# Altium PCB RT1064_V2PCB.PcbDoc (part 1 of 2)
Units mil, origin at the board's own origin, x right, y up, seen from the top; angles counter-clockwise.
Board outline 4813.94 x 2430.13 mil, 4 copper layers (TOP, GND 2, PWR, BOTTOM), stack 23.756 mil thick; 135 components, 134 nets, 481 pads, 147 vias.
Unrouted connection lines stored in the file: 5.
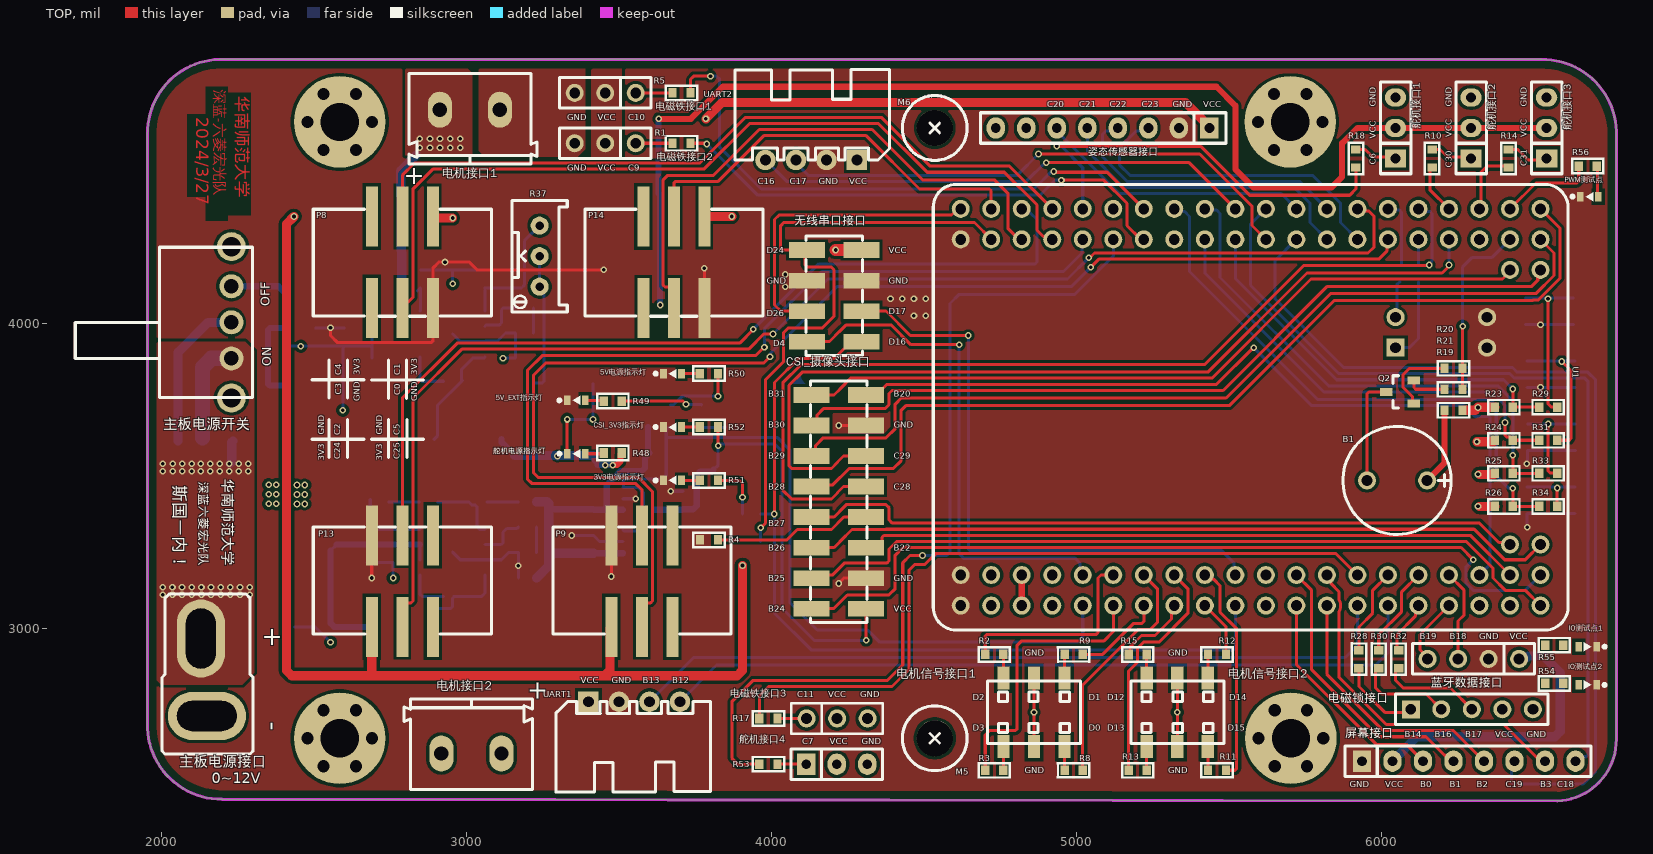
[diagram p0: TOP view]
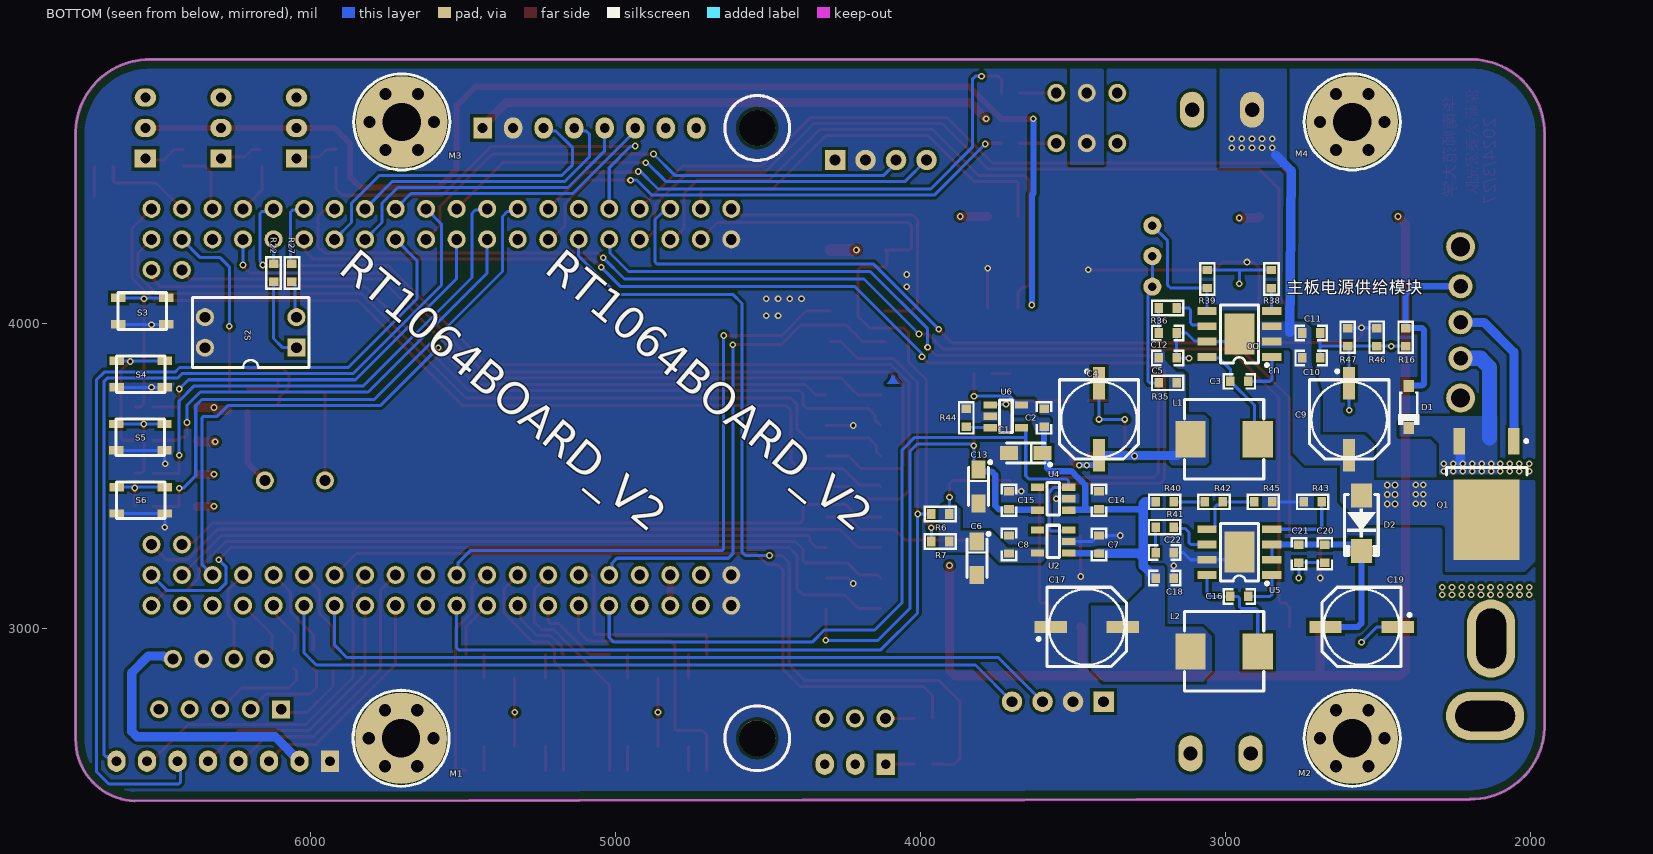
[diagram p1: BOTTOM view, seen from below]
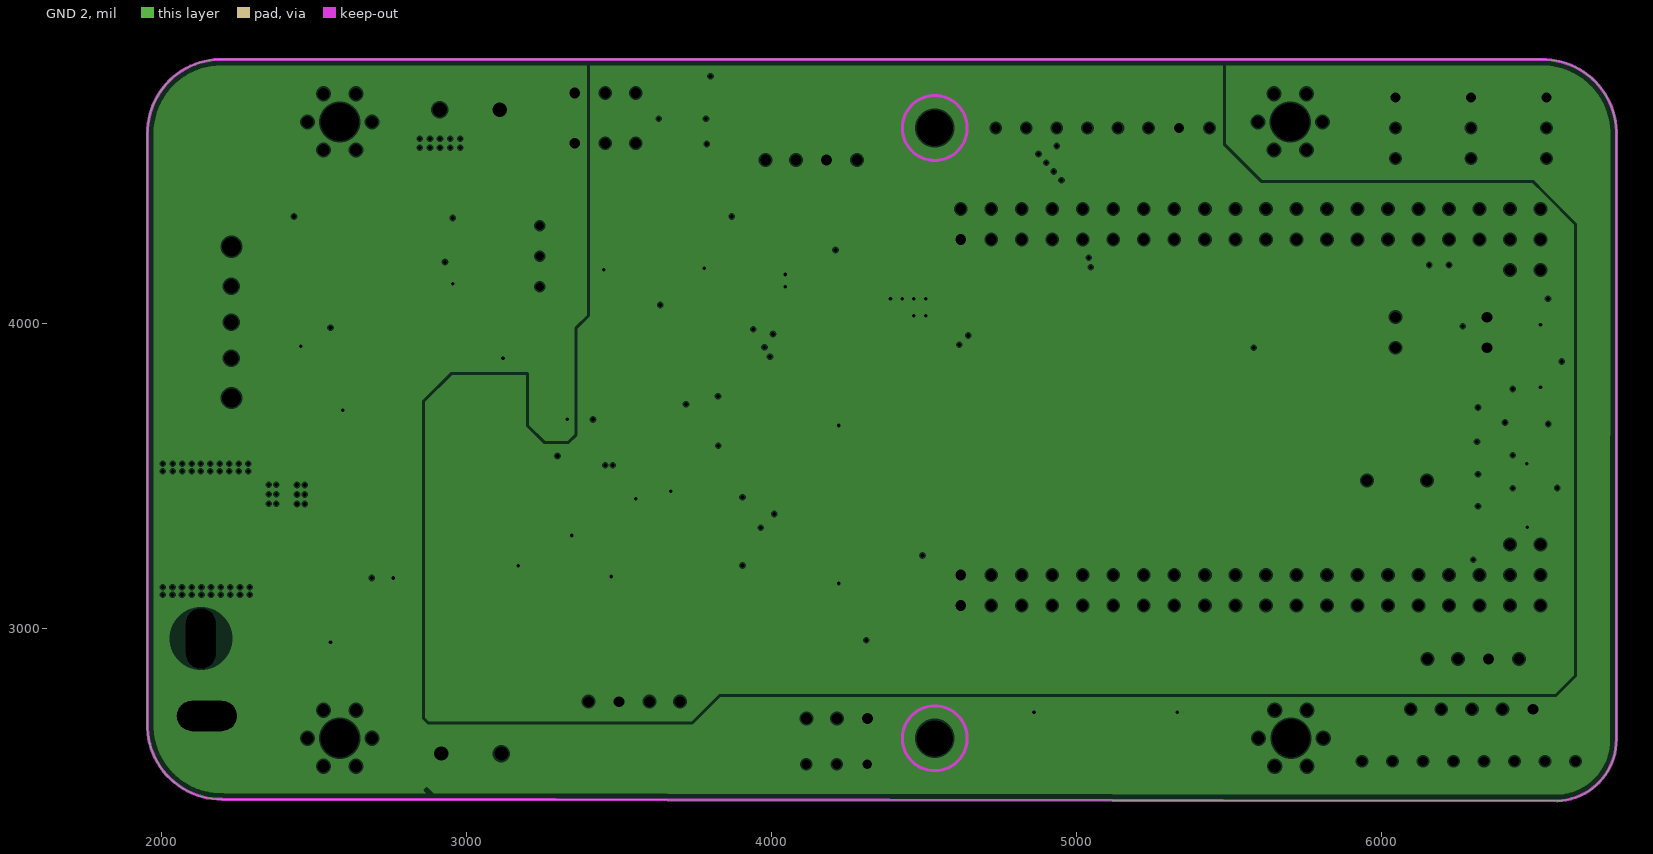
[diagram p2: GND 2, clearances drawn from the general rule]
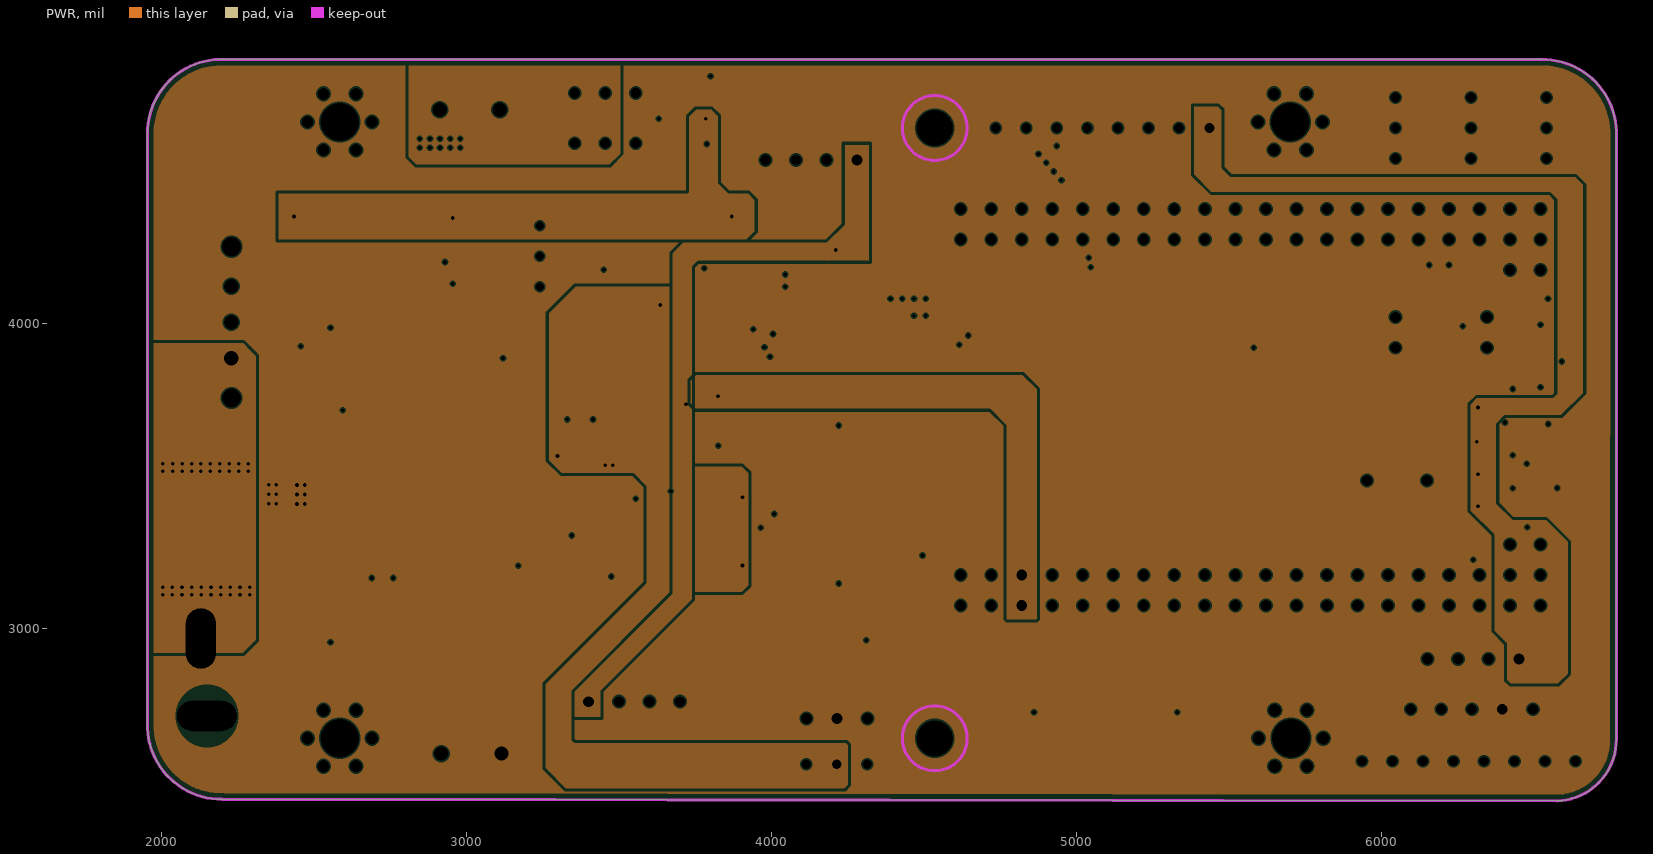
[diagram p3: PWR, clearances drawn from the general rule]

## Layer stack, top to bottom
Top Solder: solder mask 0.4, Solder Resist, Dk 3.5
TOP: signal copper 1.4
Dielectric 2: prepreg 2.8, PP-006, Dk 4.1
GND 2: plane copper 1.378, net GND
Dielectric 1: dielectric 12.6, FR-4, Dk 4.8
PWR: plane copper 1.378, net VCCBAT
Dielectric 3: prepreg 2.8, PP-006, Dk 4.1
BOTTOM: signal copper 1.4
Bottom Solder: solder mask 0.4, Solder Resist, Dk 3.5

## Board outline
1954.93,2690.01 1954.9,4620.01 cw(c2197.5,4622.51) 2190,4865.01 6523.84,4865.1 6523.84,4864.63 cw(c6526.34,4622.03) 6768.84,4629.53 6768.47,2636.62 cw(c6568.83,2634.56) 6575,2435 6575,2434.97 2199.82,2440.16 cw(c2197.32,2682.65)

## Design rules (kind name [scope] priority, off if disabled: settings)
BoardOutlineClearance [All] p1: gap=30 ignorepadtopadclearanceinfootprint=FALSE
Clearance [All] p1: gap=10 ignorepadtopadclearanceinfootprint=FALSE except(0: Arc-Hole Track-Hole SMDPad-Hole THPad-Hole Via-Hole Fill-Hole Poly-Hole Region-Hole Text-Hole)
PlaneClearance [All] p1: clearance=5
PlaneConnect [All] p1: planeconnectstyle=Relief reliefexpansion=20 reliefentries=4 reliefconductorwidth=10 reliefairgap=10
PolygonConnect PolygonConnect_PWR [InNetClass('PWR')] p1: connectstyle=Direct reliefconductorwidth=60 reliefentries=4 polygonreliefangle="90 Angle" airgapwidth=10
PolygonConnect [All] p2: connectstyle=Direct reliefconductorwidth=60 reliefentries=4 polygonreliefangle="90 Angle" airgapwidth=10
RoutingVias [All] p1: holewidth=28 width=50 viastyle="Through Hole" minholewidth=28 minwidth=50 maxholewidth=28 maxwidth=50
SolderMaskExpansion [All] p1: expansion=4 istentingtop=FALSE
Width PWR [InNetClass('PWR')] p1: maxlimit=30 minlimit=10 preferedwidth=30
Width [All] p2: maxlimit=10 minlimit=10 preferedwidth=10
28 further rules are at their usual default settings.

## Classes and differential pairs
component class RT1064_Power: 3V3电源指示灯 5V_EXT指示灯 5V电源指示灯 C3 C4 C5 C6 C7 C8 C9 C10 C11 C12 C13 C14 C15 C16 C17 C18 C19 C20 C21 C22 CSI_3V3指示灯 D2 L1 L2 R35 R36 R37 R38 R39 R40 R41 R42 R43 R44 R45 R46 R47 R48 R49 R50 R51 R52 U2 U3 U4 U5 U6 舵机电源指示灯
component class RT1064_Interaction: B1 M1 M2 M3 M4 M5 M6 Q2 R19 R20 R21 R22 R23 R24 R25 R26 R27 R28 R29 R30 R31 R32 R33 R34 S2 S3 S4 S5 S6 电磁锁接口
component class RT1064_Device: CSI_摄像头接口 D1 P8 P9 P13 P14 Q1 R1 R2 R3 R4 R5 R6 R7 R8 R9 R10 R11 R12 R13 R14 R15 R16 R17 R18 R53 UART1 UART2 主板电源开关 主板电源接口 姿态传感器接口 屏幕接口 无线串口接口 电机信号接口1 电机信号接口2 电机接口1 电机接口2 电磁铁接口1 电磁铁接口2 电磁铁接口3 舵机接口1 舵机接口2 舵机接口3 舵机接口4 蓝牙数据接口
component class RT1064_CoreBoard: C1 C2 IO测试点1 IO测试点2 PWM测试点 R54 R55 R56 U1

## Components (designator, comment, footprint, x,y, rotation, side; value= is the part's Value field where it differs from the comment)
3V3电源指示灯 "翠绿贴片LED" LEDC1608(0603)-L 3675.47,3485 r0 top (schematic designator LED4)
5V_EXT指示灯 "翠绿贴片LED" LEDC1608(0603)-L 3360,3747.5 r0 top (schematic designator LED2)
5V电源指示灯 "翠绿贴片LED" LEDC1608(0603)-L 3675.47,3835 r0 top (schematic designator LED3)
B1 "BEEP" "BEEP 9x5.5mm" 6050,3485 r180 top
C1 "T-S 10uF 3216 16V" "CAP-T-S 3216" 3655,3575 r0 bottom value=10uF
C2 "1uF 16V X7R" CAPC1608[0603]S-L 3595,3690.03 r270 bottom value=1uF
C3 "100nF 50V X7R" CAPC1608[0603]S-L 2955,3810 r180 bottom value=100nF
C4 "220uF 25V 铝电解" "CAP-E-S 6.3" 3415,3685 r90 bottom value=220uF
C5 "47uF 50V X7R" CAPC1608[0603]S-L 3190,3886.67 r0 bottom value=47uF
C6 "T-S 10uF 3216 16V" "CAP-T-S 3216" 3815,3230.12 r270 bottom value=10uF
C7 "100nF 50V X7R" CAPC1608[0603]S-L 3415,3275 r270 bottom value=100nF
C8 "100nF 50V X7R" CAPC1608[0603]S-L 3710,3275.03 r270 bottom value=100nF
C9 "220uF 25V 铝电解" "CAP-E-S 6.3" 2595,3685 r90 bottom value=220uF
C10 "4.7uF 50V X7R" CAPC1608[0603]S-L 2720,3886.67 r0 bottom value=4.7uF
C11 "100nF 50V X7R" CAPC1608[0603]S-L 2720,3968.34 r0 bottom value=100nF
C12 "4.7nF 50V X7R" CAPC1608[0603]S-L 3190,3968.34 r0 bottom value=4.7nF
C13 "T-S 10uF 3216 16V" "CAP-T-S 3216" 3810,3465.12 r270 bottom value=10uF
C14 "100nF 50V X7R" CAPC1608[0603]S-L 3415,3420 r270 bottom value=100nF
C15 "100nF 50V X7R" CAPC1608[0603]S-L 3710,3420 r270 bottom value=100nF
C16 "100nF 50V X7R" CAPC1608[0603]S-L 2955,3105 r180 bottom value=100nF
C17 "220uF 25V 铝电解" "CAP-E-S 6.3" 3455.34,3005 r0 bottom value=220uF
C18 "47uF 50V X7R" CAPC1608[0603]S-L 3200,3165 r0 bottom value=47uF
C19 "220uF 25V 铝电解" "CAP-E-S 6.3" 2554.66,3005 r180 bottom value=220uF
C20 "4.7uF 50V X7R" CAPC1608[0603]S-L 2675,3245 r90 bottom value=4.7uF
C21 "100nF 50V X7R" CAPC1608[0603]S-L 2760,3245 r90 bottom value=100nF
C22 "4.7nF 50V X7R" CAPC1608[0603]S-L 3200,3248.33 r0 bottom value=4.7nF
CSI_3V3指示灯 "翠绿贴片LED" LEDC1608(0603)-L 3675.47,3660 r0 top (schematic designator LED5)
CSI_摄像头接口 "Header-D-F 2x8P" Cam_HDR2X8-F-SMT 4220.63,3415 r90 top (schematic designator P1)
D1 "BZT52C16" SOD-123-L 2400,3725 r270 bottom
D2 "SS54" SMA-L[DO-214AC] 2555,3345 r270 bottom
IO测试点1 "翠绿贴片LED" LEDC1608(0603)-L 6675,2940 r180 top (schematic designator LED7)
IO测试点2 "翠绿贴片LED" LEDC1608(0603)-L 6675,2815 r180 top (schematic designator LED6)
L1 "4.7uH 5A" "0630 TPC 7*7*3" 3005,3620 r0 bottom value=4.7uH
L2 "4.7uH 5A" "0630 TPC 7*7*3" 3005,2925 r0 bottom value=4.7uH
M1 "MountHole" M3x12+6_N 5702,2640 r180 bottom
M2 "MountHole" M3x12+6_N 2585,2640 r180 bottom
M3 "MountHole" M3x12+6_N 5700,4660 r180 bottom
M4 "MountHole" M3x12+6_N 2585,4660 r180 bottom
M5 "MountHole" M3-MountHole 4535,2640 r0 top
M6 "MountHole" M3-MountHole 4535,4640 r0 top
P8 "Header-D-M 2x3P" DC3-6P-2.54mm 2890,4050 r180 top
P9 "Header-D-M 2x3P" DC3-6P-2.54mm 3475,3305 r0 top
P13 "Header-D-M 2x3P" DC3-6P-2.54mm 2690,3305 r0 top
P14 "Header-D-M 2x3P" DC3-6P-2.54mm 3780,4050 r180 top
PWM测试点 "翠绿贴片LED" LEDC1608(0603)-L 6680,4415 r0 top (schematic designator LED8)
Q1 "HY19P03" TO-252AA 2145,3485 r270 bottom
Q2 "S8050" SOT-23 6060,3775 r180 top
R1 "100R ±1%" RESC1608[0603]S-L 3705,4590 r0 top value=100R
R2 "100R ±1%" RESC1608[0603]S-L 4730,2914.88 r0 top value=100R
R3 "100R ±1%" RESC1608[0603]S-L 4730,2535 r0 top value=100R
R4 "10K ±1%" RESC1608[0603]S-L 3795.04,3290 r180 top value=10K
R5 "100R ±1%" RESC1608[0603]S-L 3705,4755 r0 top value=100R
R6 "10K ±1%" RESC1608[0603]S-L 3935,3375 r180 bottom value=10K
R7 "10K ±1%" RESC1608[0603]S-L 3935,3285 r180 bottom value=10K
R8 "100R ±1%" RESC1608[0603]S-L 4989.93,2535.26 r180 top value=100R
R9 "100R ±1%" RESC1608[0603]S-L 4990,2915 r180 top value=100R
R10 "100R ±1%" RESC1608[0603]S-L 6165,4540 r270 top value=100R
R11 "100R ±1%" RESC1608[0603]S-L 5460,2535.21 r180 top value=100R
R12 "100R ±1%" RESC1608[0603]S-L 5460,2914.81 r180 top value=100R
R13 "100R ±1%" RESC1608[0603]S-L 5200,2535.11 r0 top value=100R
R14 "100R ±1%" RESC1608[0603]S-L 6415,4540 r270 top value=100R
R15 "100R ±1%" RESC1608[0603]S-L 5200,2914.71 r0 top value=100R
R16 "10K ±1%" RESC1608[0603]S-L 2410,3954.54 r90 bottom value=10K
R17 "100R ±1%" RESC1608[0603]S-L 3990,2705 r180 top value=100R
R18 "100R ±1%" RESC1608[0603]S-L 5915,4540 r270 top value=100R
R19 "10R ±1%" RESC1608[0603]S-L 6235,3715 r0 top value=10R
R20 "4.7K ±1%" RESC1608[0603]S-L 6235,3852.5 r0 top value=4.7K
R21 "10K ±1%" RESC1608[0603]S-L 6234.98,3783.74 r0 top value=10K
R22 "100R ±1%" RESC1608[0603]S-L 6120,4165 r90 bottom value=100R
R23 "1K ±1%" RESC1608[0603]S-L 6400,3725 r0 top value=1K
R24 "1K ±1%" RESC1608[0603]S-L 6400,3616.64 r0 top value=1K
R25 "1K ±1%" RESC1608[0603]S-L 6400,3508.32 r0 top value=1K
R26 "1K ±1%" RESC1608[0603]S-L 6400,3399.99 r0 top value=1K
R27 "100R ±1%" RESC1608[0603]S-L 6060,4165 r90 bottom value=100R
R28 "100R ±1%" RESC1608[0603]S-L 5925,2899.53 r90 top value=100R
R29 "100R ±1%" RESC1608[0603]S-L 6545,3725 r180 top value=100R
R30 "100R ±1%" RESC1608[0603]S-L 5990,2899.53 r90 top value=100R
R31 "100R ±1%" RESC1608[0603]S-L 6545,3616.66 r180 top value=100R
R32 "100R ±1%" RESC1608[0603]S-L 6055,2899.49 r90 top value=100R
R33 "100R ±1%" RESC1608[0603]S-L 6545,3508.33 r180 top value=100R
R34 "100R ±1%" RESC1608[0603]S-L 6545,3400 r180 top value=100R
R35 "15K ±1%" RESC1608[0603]S-L 3190,3805 r180 bottom value=15K
R36 "20K ±1%" RESC1608[0603]S-L 3190,4050 r180 bottom value=20K
R37 "10K" RESPOT3296W 3240,4220 r90 top
R38 "200K ±1%" RESC1608[0603]S-L 2850,4145 r270 bottom value=200K
R39 "3.3K ±1%" RESC1608[0603]S-L 3060,4145 r270 bottom value=3.3K
R40 "51K ±1%" RESC1608[0603]S-L 3200,3415 r0 bottom value=51K
R41 "20K ±1%" RESC1608[0603]S-L 3200,3331.67 r180 bottom value=20K
R42 "1.5K ±1%" RESC1608[0603]S-L 3038.33,3415 r0 bottom value=1.5K
R43 "200K ±1%" RESC1608[0603]S-L 2715,3415 r180 bottom value=200K
R44 "4.7K ±1%" RESC1608[0603]S-L 3850,3690 r270 bottom value=4.7K
R45 "10K ±1%" RESC1608[0603]S-L 2876.67,3415 r0 bottom value=10K
R46 "0R ±1%" RESC1608[0603]S-L 2504.99,3954.53 r90 bottom value=0R
R47 "0R ±1%" RESC1608[0603]S-L 2600,3954.53 r90 bottom value=0R
R48 "10K ±1%" RESC1608[0603]S-L 3480,3575 r0 top value=10K
R49 "10K ±1%" RESC1608[0603]S-L 3480,3745 r0 top value=10K
R50 "10K ±1%" RESC1608[0603]S-L 3795,3835 r0 top value=10K
R51 "4.7K ±1%" RESC1608[0603]S-L 3795,3485 r0 top value=4.7K
R52 "4.7K ±1%" RESC1608[0603]S-L 3795,3660 r0 top value=4.7K
R53 "100R ±1%" RESC1608[0603]S-L 3990,2555 r180 top value=100R
R54 "10K ±1%" RESC1608[0603]S-L 6565,2820 r180 top value=10K
R55 "10K ±1%" RESC1608[0603]S-L 6564.99,2945 r180 top value=10K
R56 "10K ±1%" RESC1608[0603]S-L 6675,4515 r180 top value=10K
S2 "SW DIP-2" "Code SW-2-DIP-2.54" 6195,3970 r90 bottom
S3 "Button" PTS810-3*4-CurvePin 6550,4040 r180 bottom
S4 "Button" PTS810-3*4-CurvePin 6555,3833.33 r180 bottom
S5 "Button" PTS810-3*4-CurvePin 6556.26,3626.67 r180 bottom
S6 "Button" PTS810-3*4-CurvePin 6555,3420 r180 bottom
U1 "MIMXRT1064xVL_CoreBoard" "MIMXRT1064xVL_CoreBoard - 3D" 5570,3725 r0 top locked
U2 "RT9013-33" SOT-23-5 3565,3285 r0 bottom
U3 "SCT2450" SOP-8E 2955,3965 r0 bottom
U4 "RT9013-33" SOT-23-5 3565,3425 r0 bottom
U5 "SCT2450" SOP-8E 2955,3250 r0 bottom
U6 "SY6280" SOT-23-5 3720,3695 r180 bottom
UART1 "Header-D-M 1x4P" XH2.54-WI-4P 3550,2760 r0 top
UART2 "Header-D-M 1x4P" XH2.54-WI-4P 4130,4535 r180 top
主板电源开关 "SW-SPDT" SS-12F23 2230,4251.14 r270 top (schematic designator S1)
主板电源接口 "T型插头" CONN-TH_AM-1015B-F 2140,2840 r0 top (schematic designator DCIN1)
姿态传感器接口 "Header-D-M 1x8P" Fe-HDR1X8/2.54-S 5435,4640 r270 top (schematic designator P3)
屏幕接口 "Header-D-M 1x8P" Fe-HDR1X8/2.54-S 5935,2565 r90 top (schematic designator P6)
无线串口接口 "Header-S-F 2x4P" HDR2X4-F-SMT 4205.63,4090 r90 top (schematic designator P11)
电机信号接口1 "Header-D-M 2x3P" HDR2.54-M-LS-2x3P 4860,2725 r180 top (schematic designator P4)
电机信号接口2 "Header-D-M 2x3P" HDR2.54-M-LS-2x3P 5330,2725 r0 top (schematic designator P5)
电机接口1 "KF/WJ/DG 30x connecter" "KF/WJ/DG 301-2p-5.0mm" 3011.57,4700 r180 top (schematic designator P17)
电机接口2 "KF/WJ/DG 30x connecter" "KF/WJ/DG 301-2p-5.0mm" 3016.57,2590 r0 top (schematic designator P10)
电磁铁接口1 "Header-D-M 1x3P" HDR1X3-M 3555,4755 r180 top (schematic designator P7)
电磁铁接口2 "Header-D-M 1x3P" HDR1X3-M 3555,4590 r180 top (schematic designator P2)
电磁铁接口3 "Header-D-M 1x3P" HDR1X3-M 4115,2705 r0 top (schematic designator P16)
电磁锁接口 "Header 5" HDR1X5 6095,2735 r0 top (schematic designator P29)
舵机接口1 "Header-D-M 1x3P" Fe-HDR1X3/2.54-S 6045,4540 r180 top (schematic designator P18)
舵机接口2 "Header-D-M 1x3P" Fe-HDR1X3/2.54-S 6292.5,4540 r180 top (schematic designator P12)
舵机接口3 "Header-D-M 1x3P" Fe-HDR1X3/2.54-S 6540,4540 r180 top (schematic designator P15)
舵机接口4 "Header-D-M 1x3P" Fe-HDR1X3/2.54-S 4113.94,2555 r90 top (schematic designator P19)
舵机电源指示灯 "翠绿贴片LED" LEDC1608(0603)-L 3360,3572.5 r0 top (schematic designator LED1)
蓝牙数据接口 "Header-D-M 1x4P" HDR1X4-M 6450,2900 r180 top (schematic designator P20)

## Footprints (in the part's own frame and the unit in brackets; to place one, negate y for a bottom-side part, rotate by r counter-clockwise, add the part's x,y. Pads: shape width x height; smd on the part's side, far side on the other; paste and mask are expansions set on the pad)
"0630 TPC 7*7*3" [mm]
  rect 2.5x3 smd: 1(-2.8,0) 2(2.8,0)
  silkscreen extent -3.3,-3.3 3.3,3.3, body extent -3.3,-3.3 3.3,3.3, height 3
"BEEP 9x5.5mm" [mm]
  round 1.5 hole 0.9: 1(-2.5,0) 2(2.5,0)
  silkscreen extent -4.5,-4.5 4.5,4.5, body extent -4.8,-4.8 4.8,4.8, height 5.05
Cam_HDR2X8-F-SMT [mm]
  rect 1.3x3 smd: 1(-8.89,-2.27) 2(-8.89,2.27) 3(-6.35,-2.27) 4(-6.35,2.27) 5(-3.81,-2.27) 6(-3.81,2.27) 7(-1.27,-2.27) 8(-1.27,2.27) 9(1.27,-2.27) 10(1.27,2.27) 11(3.81,-2.27) 12(3.81,2.27) 13(6.35,-2.27) 14(6.35,2.27) 15(8.89,-2.27) 16(8.89,2.27)
  silkscreen extent -10.06,-2.35 10.06,2.35, body extent -10.8,-5 10.8,5, height 14.2
"CAP-E-S 6.3" [mm]
  rect 2.7x1 smd: 1(-3,0) 2(3,0)
  silkscreen extent -3.3,-3.3 4.12,3.3, body extent -3.5,-3.3 3.5,3.3, height 5.2
"CAP-T-S 3216" [mm]
  rect 1.5x1.2 smd: 1(-1.4,0) 2(1.4,0)
  silkscreen extent -2.15,-0.9 1.6,1.1, body extent -1.6,-0.8 1.6,0.8, height 1.6
CAPC1608[0603]S-L [mm]
  rect 0.7x0.8 smd: 1(-0.75,0) 2(0.75,0)
  silkscreen extent -1.4,-0.7 1.4,0.7, body extent -0.8,-0.41 0.8,0.41, height 0.79
"Code SW-2-DIP-2.54" [mm]
  rect 1.5x1.5 hole 0.9: 1(-1.27,-3.81)
  round 1.5 hole 0.9: 2(1.27,-3.81) 3(1.27,3.81) 4(-1.27,3.81)
  silkscreen extent -2.93,-4.85 2.93,4.85, body extent -3.04,-4.95 3.04,4.95, height 7.03
CONN-TH_AM-1015B-F [mm]
  oval 4x6.5 hole 2.5 slot 5 at 90 deg copper offset 0.001,-0.001: 1(-0.251,3.225)
  oval 6.5x4 hole 2.5 slot 5 at 0 deg: 2(0.25,-3.225)
  silkscreen extent -3.5,-6.37 4.1,6.93
DC3-6P-2.54mm [mm] "简牛贴片 2.54间距 淘宝ID:黄晶宝石   店铺网址:https://shop463601444.taobao.com"
  rect 1x5 smd: 1(0,0) 2(0,-7.62) 3(2.54,0) 4(2.54,-7.62) 5(5.08,0) 6(5.08,-7.62)
  silkscreen extent -4.87,-8.22 9.95,0.69, body extent -4.84,-9.53 9.98,1.91, height 10
Fe-HDR1X3/2.54-S [mil]
  rect 70x60 hole 32: 1(0,0)
  oval 70x60 hole 32: 2(0,-100) 3(0,-200)
  silkscreen extent -50,-250 50,50, body extent -50,-255 48,55, height 335
Fe-HDR1X8/2.54-S [mil]
  rect 70x60 hole 32: 1(0,0)
  oval 70x60 hole 32: 2(0,-100) 3(0,-200) 4(0,-300) 5(0,-400) 6(0,-500) 7(0,-600) 8(0,-700)
  silkscreen extent -50,-750 50,55, body extent -49,-755 49,55, height 126
HDR1X3-M [mm]
  round 1.5 hole 0.9: 1(0,0) 2(2.54,0) 3(5.08,0)
  silkscreen extent -1.27,-1.27 6.35,1.27, body extent -1.27,-1.27 6.35,1.27, height 8.54
HDR1X4-M [mm]
  round 1.5 hole 0.9: 1(0,0) 2(2.54,0) 3(5.08,0) 4(7.62,0)
  silkscreen extent -1.27,-1.27 8.89,1.27, body extent -1.27,-1.27 8.89,1.27, height 8.54
HDR1X5 [mm] "Connector; Header; 5 Position"
  rect 1.5x1.5 hole 0.9: 1(0,0)
  round 1.5 hole 0.9: 2(2.54,0) 3(5.08,0) 4(7.62,0) 5(10.16,0)
  silkscreen extent -1.27,-1.27 11.43,1.27
HDR2.54-M-LS-2x3P [mm] "脚距：2.54mm，贴片双排母"
  rect 1.02x1.9 smd: 1(-2.54,2.85) 2(-2.54,-2.85) 3(0,2.85) 4(0,-2.85) 5(2.54,2.85) 6(2.54,-2.85)
  silkscreen extent -3.87,-2.6 3.87,2.6, body extent -3.84,-3.2 3.84,3.2, height 5.15
HDR2X4-F-SMT [mm]
  rect 1.3x3 smd: 1(-3.81,-2.27) 2(-3.81,2.27) 3(-1.27,-2.27) 4(-1.27,2.27) 5(1.27,-2.27) 6(1.27,2.27) 7(3.81,-2.27) 8(3.81,2.27)
  silkscreen extent -4.98,-2.35 4.98,2.35, body extent -5.08,-3.35 5.08,3.35, height 7.47
"KF/WJ/DG 301-2p-5.0mm" [mm]
  oval 2x3 hole 1.2: 1(2.5,0) 2(-2.5,0)
  silkscreen extent -5.6,-3 5.08,4.52, body extent -5.6,-3 5,4.6, height 10
LEDC1608(0603)-L [mm]
  rect 0.55x0.8 smd: A(0.75,0) C(-0.75,0)
  silkscreen extent -1.52,-0.38 0.33,0.38, body extent -0.8,-0.4 0.8,0.4, height 0.64
M3-MountHole [mm]
  round 3 hole 3 unplated mask+0: 1(0,0)
  Keep-Out Layer circle w0.254: c0,0 r2.7
  silkscreen extent -2.7,-2.7 2.7,2.7
M3x12+6_N [mil] "M3铜柱，长：12mm，螺纹长：6mm"
  round 40 hole 40: 1(-106,0) 1(-53,-91.8) 1(-53,91.8) 1(53,-91.8) 1(53,91.8) 1(106,0)
  round 300 hole 125: 1(0,0)
  silkscreen extent -157,-157 157,157, body extent -106,-93 106,93, height 474
"MIMXRT1064xVL_CoreBoard - 3D" [mm]
  round 1.5 hole 0.9: 1(-24.13,-16.51) 2(-24.13,-13.97) 3(-21.59,-16.51) 4(-21.59,-13.97) 5(-19.05,-16.51) 6(-19.05,-13.97) 7(-16.51,-16.51) 8(-16.51,-13.97) 9(-13.97,-16.51) 10(-13.97,-13.97) 11(-11.43,-16.51) 12(-11.43,-13.97) 13(-8.89,-16.51) 14(-8.89,-13.97) 15(-6.35,-16.51) 16(-6.35,-13.97) 17(-3.81,-16.51) 18(-3.81,-13.97) 19(-1.27,-16.51) 20(-1.27,-13.97) 21(1.27,-16.51) 22(1.27,-13.97) 23(3.81,-16.51) 24(3.81,-13.97) 25(6.35,-16.51) 26(6.35,-13.97) 27(8.89,-16.51) 28(8.89,-13.97) 29(11.43,-16.51) 30(11.43,-13.97) 31(13.97,-16.51) 32(13.97,-13.97) 33(16.51,-16.51) 34(16.51,-13.97) 35(19.05,-16.51) 36(19.05,-13.97) 37(21.59,-16.51) 38(21.59,-13.97) 39(24.13,-16.51) 40(24.13,-13.97) 41(21.59,-11.43) 42(24.13,-11.43) 43(24.13,11.43) 44(21.59,11.43) 45(24.13,13.97) 46(24.13,16.51) 47(21.59,13.97) 48(21.59,16.51) 49(19.05,13.97) 50(19.05,16.51) 51(16.51,13.97) 52(16.51,16.51) 53(13.97,13.97) 54(13.97,16.51) 55(11.43,13.97) 56(11.43,16.51) 57(8.89,13.97) 58(8.89,16.51) 59(6.35,13.97) 60(6.35,16.51) 61(3.81,13.97) 62(3.81,16.51) 63(1.27,13.97) 64(1.27,16.51) 65(-1.27,13.97) 66(-1.27,16.51) 67(-3.81,13.97) 68(-3.81,16.51) 69(-6.35,13.97) 70(-6.35,16.51) 71(-8.89,13.97) 72(-8.89,16.51) 73(-11.43,13.97) 74(-11.43,16.51) 75(-13.97,13.97) 76(-13.97,16.51) 77(-16.51,13.97) 78(-16.51,16.51) 79(-19.05,13.97) 80(-19.05,16.51) 81(-21.59,13.97) 82(-21.59,16.51) 83(-24.13,13.97) 84(-24.13,16.51)
  silkscreen extent -26.42,-18.54 26.42,18.54, body extent -26.42,-18.54 26.42,18.54, height 21.04
PTS810-3*4-CurvePin [mm]
  rect 1.2x0.7 smd: 1(-2,-1.1) 1(2,-1.1) 2(-2,1.1) 2(2,1.1)
  silkscreen extent -2.02,-1.52 2,1.52, body extent -2.3,-1.6 2.3,1.6, height 2.5
RESC1608[0603]S-L [mm]
  rect 0.7x0.8 smd: 1(-0.75,0) 2(0.75,0)
  silkscreen extent -1.4,-0.7 1.4,0.7, body extent -0.8,-0.4 0.8,0.4, height 0.45
RESPOT3296W [mm]
  round 1.5 hole 0.7: 1(-2.54,0) 2(2.54,0) ADJ(0,0)
  silkscreen extent -4.65,-2.3 4.65,2.3, body extent -4.75,-2.4 4.75,2.4, height 3.1
SMA-L[DO-214AC] [mm]
  rect 2x1.75 smd: A(-2.3,0) K(2.3,0)
  silkscreen extent -2.37,-1.4 2.7,1.4, body extent -2.9,-1.46 2.91,1.46, height 2.3
SOD-123-L [mm]
  rect 1x0.85 smd: A(-1.75,0) K(1.75,0)
  silkscreen extent -1.32,-0.9 1.47,0.9, body extent -1.85,-0.8 1.85,0.8, height 1.2
SOP-8E [mm]
  rect 2.5x3.4 smd: 0(0,0)
  rect 1.6x0.65 smd: 1(-2.7,1.905) 2(-2.7,0.635) 3(-2.7,-0.635) 4(-2.7,-1.905) 5(2.7,-1.905) 6(2.7,-0.635) 7(2.7,0.635) 8(2.7,1.905)
  silkscreen extent -2.42,-2.4 1.58,2.72, body extent -3.11,-2.45 3.11,2.45, height 1.75
SOT-23 [mm]
  rect 1.05x0.65 smd: 1(-1.15,0.95) 2(-1.15,-0.95) 3(1.15,0)
  silkscreen extent 0.13,-1.35 0.58,1.35, body extent -1.4,-1.45 1.4,1.45, height 1.2
SOT-23-5 [mm]
  rect 1.1x0.6 smd: 1(-1.3,0.95) 2(-1.3,0) 3(-1.3,-0.95) 4(1.3,-0.95) 5(1.3,0.95)
  silkscreen extent -0.53,-1.35 0.53,1.35, body extent -1.42,-1.46 1.42,1.46, height 1.08
SS-12F23 [mm]
  round 2.4 hole 1.6: 0(0,0) 0(12.6,0)
  round 2 hole 1.2: 1(3.3,0) 2(6.3,0) 3(9.3,0)
  silkscreen extent 0.05,-13 12.55,1.75, body extent -0.14,-12.27 12.86,0.64, height 5.75
TO-252AA [mm]
  rect 6.7x5.5 smd: 1(3.275,0)
  rect 2.2x0.95 smd: 2(-3.275,2.28) 3(-3.275,-2.28)
  silkscreen extent -3.4,-3.35 -0.47,3.43, body extent -3.77,-3.27 6.16,3.27, height 2.39
XH2.54-WI-4P [mm] "接插件，4P"
  rect 1.7x1.7 hole 0.9: 1(-3.81,0)
  round 1.7 hole 0.9: 2(-1.27,0) 3(1.27,0) 4(3.81,0)
  silkscreen extent -6.53,-7.53 6.35,0, body extent -6.31,-7.35 6.31,0.35, height 5.73

## Part data
3V3电源指示灯 5V_EXT指示灯 5V电源指示灯 CSI_3V3指示灯 IO测试点1 IO测试点2 PWM测试点 舵机电源指示灯: library part "LED Chip Green", Price(RMB)=0.00, Published=8-Jun-2000, Publisher="Altium Limited", Revision="July-2002: Re-released for DXP Platform."
B1: "蜂鸣器"
C1 C6 C13: "贴片钽电容 10uF 3216 16V", Voltage=16V, Revision="July-2002: Re-released for DXP Platform.", Type=TanCap
C2: library part "1uF 0603 16V X7R", "贴片瓷片电容; MLCC; 0603(1608);", Voltage=16V, Revision=V1.0, Type=X7R
C3 C5 C7 C8 C10 C11 C14 C15 C16 C18 C20 C21: library part "100nF 0603 50V X7R", "贴片瓷片电容; MLCC; 0603(1608);", Voltage=50V, Revision=V1.0, Type=X7R
C4 C9 C17 C19: library part "E-S 220uF 25V 6.3x7.7", "贴片电解电容 220uF 25V 6.3x7.7", Voltage=25V, Revision=V1.0, Type=铝电解
C12 C22: library part "4.7nF 0603 50V X7R", "贴片瓷片电容; MLCC; 0603(1608);", Voltage=50V, Revision=V1.0, Type=X7R
CSI_摄像头接口: "2x8pin, 直插, 双排座", Revision=V1.0
D1: library part "Diode Zen", "稳压二极管 齐纳二极管  Zener Diode", Price(RMB)=0.000, Published=8-Jun-2000, Publisher="Altium Limited", Revision="July-2002: Re-released for DXP Platform."
D2: "SS54 肖特基二极管", Revision=V1.0
L1 L2: library part Ind-Power, "功率电感", DCR=.5m, Imax=5A, Price(RMB)=0.000, Published=8-Jun-2000, Publisher="Altium Limited", Revision="July-2002: Re-released for DXP Platform."
M1 M2 M3 M4 M5 M6: "固定孔"
P8 P9 P13 P14 电机信号接口1 电机信号接口2: library part "Header-S-M 2x3P", "2x3pin, 贴片, 双排针", Revision=V1.0
Q1: "HY19P03 P-Channel MOSFET"
Q2: library part "NPN S8050", "Discrete NPN Bipolar Transistor", PartNumber=S8050, Price(RMB)=0.000, Published=8-Jun-2000, Publisher="Altium Limited", Revision="July-2002: Re-released for DXP Platform."
R1 R2 R3 R4 R5 R6 R7 R8 R9 R10 R11 R12 R13 R14 R15 R16 R17 R18 R19 R20 R21 R22 R23 R24 R25 R26 R27 R28 R29 R30 R31 R32 R33 R34 R35 R36 R38 R39 R40 R41 R42 R43 R44 R45 R48 R49 R50 R51 R52 R53 R54 R55 R56: library part Res-Chip, "贴片电阻", Power=1/8W, Tolerance=±1%, Revision=V1.0
R37: library part Res-Adj-3p, "可调电阻"
R46 R47: library part Res-Chip_1, "贴片电阻", Power=1/8W, Tolerance=±1%, Revision=V1.0
S2: library part "Code SW-2", "2位拨码开关", Price(RMB)=0.000, Published=24-Mar-1999, Publisher="Altium Limited", Revision="July-2002: Re-released for DXP Platform."
S3 S4 S5 S6: library part KEY, "按键", Price(RMB)=0.000, Published=24-Mar-1999, Publisher="Altium Limited"
U1: "逐飞科技i.MX RT1064核心板整体原理，可直接使用"
U2 U4: "3.3V 500mA SOT-23-5 LDO"
U3 U5: "3.8V-36V Vin, 5A, High Efficiency Synchronous Step-down DCDC Converter / with Programmable Frequency"
U6: "SY6280 2A 限额配电开关", Imax=2.1A, Published=2020-12-08, Revision=V1.0
UART1 UART2 蓝牙数据接口: "1x4pin, 直插, 排针", Revision=V1.0
主板电源开关: "单刀双掷开关 3脚船型、钮子、拨动开关 SPDT Subminiature Toggle Switch", Price(RMB)=0.000, Published=24-Mar-1999, Publisher="Altium Limited"
主板电源接口: library part T_Header
姿态传感器接口 屏幕接口: "1x8pin, 直插, 排针", Revision=V1.0
无线串口接口: "2x4pin, 贴片, 双排座", Revision=V1.0
电机接口1 电机接口2: library part "KF/WJ/DG 30x", "接线端子 2Pin"
电磁铁接口1 电磁铁接口2 电磁铁接口3 舵机接口1 舵机接口2 舵机接口3 舵机接口4: "1x3pin, 直插, 排针", Revision=V1.0
电磁锁接口: "Header, 5-Pin", LatestRevisionDate=17-Jul-2002, LatestRevisionNote="Re-released for DXP Platform.", Publisher="Altium Limited"

## Via types
v1: diameter 22, hole 12, TOP to BOTTOM, tented both sides, 147 vias

## Nets (pads, with @x,y where several pads share a name; then routed paths per layer and width w, separated by ;. In a path a pad name is that pad's centre, name@x,y a point inside that pad or via, vN(x,y) a via of type N, cw(c..) or ccw(c..) an arc to the next point about the centre after c; other vN are vias at no path point)
3V3: C6.1 C8.2 P8.2 P9.2 P13.2 P14.2 R6.2 R7.2 R19.2 R23.1 R24.1 R25.1 R26.1 R51.2 U2.5 姿态传感器接口.1 屏幕接口.2 蓝牙数据接口.1 | length 6945
  TOP w10: R51.2@3824.53,3485 3895,3485 3905,3475 v1(3905,3430) ; R25.1@6367.15,3505 R25.1@6370.47,3508.32 ; R24.1@6368.82,3615 R24.1@6370.47,3616.65
  TOP w30: v1(2435,4350) 2410,4325 2410,2862.57 2427.57,2845 2690,2845 ; P13.2@2690,3005 2690,2845 ; P8.2@2890,4350 2890,4349.69 2894.69,4345 v1(2955,4345) ; P9.2@3475,3005 3470.31,3000.31 3470.31,2862.89 3452.43,2845 ; P14.2@3780,4350 v1(3870,4350) ; v1(3785,4670) 3839.06,4724.06 5355.94,4724.06 5435,4645 姿态传感器接口.1@5435,4640 ; v1(3905,3206.47) 3905,2862.57 3887.43,2845 3452.43,2845 ; R19.2@6270,3715 6306,3715 v1(6315,3724) ; v1(6311.62,3611.62) 6365.44,3611.62 R24.1@6368.82,3615 ; v1@6315,3725 R23.1@6370.47,3725 ; v1@6320,3400 R26.1@6370.47,3400 ; v1@6320,3505 R25.1@6367.15,3505 ; 2690,2845 3452.43,2845
  BOTTOM w10: v1(3905,3430) 3905.24,3429.76 3905.24,3375.24 R6.2@3905.47,3375
  BOTTOM w30: 屏幕接口.2@6035,2565 6115,2645 6567.43,2645 6585,2662.57 6585,2855 6530,2910 6480.55,2910 6476.1,2905.56 6455.56,2905.56 蓝牙数据接口.1@6450,2900
  other v1: 6315,3400 6315,3505
B0: U1.23 屏幕接口.3 | length 726.5
  TOP w10: U1.23@5720,3075 5720,2881.72 5981.72,2620 6080,2620 屏幕接口.3@6125.86,2574.14
B1: U1.24 屏幕接口.4 | length 920
  TOP w10: U1.24@5720,3175 5770,3125 5770,2865 5990,2645 6145,2645 6205.68,2584.32 6207.15,2584.32 6226.47,2565 屏幕接口.4@6235,2565
B2: U1.25 屏幕接口.5 | length 858.1
  TOP w10: U1.25@5820,3075 5820,2850 6005,2665 6235,2665 屏幕接口.5@6335,2565
B3: U1.26 屏幕接口.7 | length 1143.5
  TOP w10: U1.26@5820,3175 5820,3161.73 5833.99,3147.74 5833.99,3146.01 5857.07,3122.93 5860,3120 5860,3094.56 cw(c5820,3075) 5860,3055.44 5860,2840 5862.93,2837.07 6015,2685 6400,2685 屏幕接口.7@6531.73,2553.27
B10: R56.2 U1.48 | length 312.2
  TOP w10: U1.48@6420,4375 6505,4460 6639.61,4460 6645.47,4465.86 R56.2@6645.47,4515
B11: R20.2 R21.2 U1.47 | length 593.7
  TOP w10: R21.2@6264.52,3783.75 R20.2@6264.53,3852.51 6264.76,3852.75 6264.76,3989.76 v1(6265,3990)
  BOTTOM w10: v1(6265,3990) 6265,4185 6295,4215 6360,4215 U1.47@6420,4275
B12: U1.29 UART1.4 | length 2541.3
  BOTTOM w10: UART1.4@3700,2760 3820,2880 5980,2880 6020,2920 U1.29@6020,3075
B13: U1.27 UART1.3 | length 2526.6
  BOTTOM w10: UART1.3@3600,2760 3745,2905 5880,2905 5920,2945 U1.27@5920,3075
B14: R28.2 U1.30 | length 285.3
  TOP w10: R28.2@5925,2929.06 5925,3005 5970,3050 5970,3125 U1.30@6020,3175
B15: R17.2 U1.28 | length 2446.8
  TOP w10: R17.2@3960.47,2705 3960.47,2780.47 3990,2810 4395,2810 4450,2865 4450,3190 4470,3210 4502.77,3210 4537.77,3245 5850,3245 U1.28@5920,3175
B16: R30.2 U1.32 | length 299.8
  TOP w10: R30.2@5990,2929.06 5990,2980 6065,3055 6065,3120 U1.32@6120,3175
B17: R32.2 U1.31 | length 177
  TOP w10: R32.2@6055,2929.01 6050,2934.01 6050,2980 6110,3040 6110,3051.73 6110.61,3052.34 6110.61,3065.61 U1.31@6120,3075
B18: U1.34 蓝牙数据接口.3 | length 304
  TOP w10: U1.34@6220,3175 6270,3125 6270,3044.03 6250,3024.03 蓝牙数据接口.3@6250,2900
B19: U1.33 蓝牙数据接口.4 | length 224.7
  TOP w10: 蓝牙数据接口.4@6150,2900 6150,2904.69 6125,2929.69 6125,2980 U1.33@6220,3075
B20: CSI_摄像头接口.15 U1.36 | length 2733.5
  TOP w10: CSI_摄像头接口.15@4310,3765 4343.46,3765 4378.46,3800 5458.25,3800 5578.25,3920 v1(5580,3920)
  BOTTOM w10: v1(5580,3920) 5770,3730 6270,3730 6305,3695 6349.14,3695 6355,3689.14 6355,3210 U1.36@6320,3175
B21: R54.2 U1.35
B22: CSI_摄像头接口.5 U1.38 | length 2188
  TOP w10: CSI_摄像头接口.5@4310,3265 4341.72,3265 4362.31,3285.59 4362.31,3298.55 4368.17,3304.41 4383.55,3304.41 4384.14,3305 6290,3305 U1.38@6420,3175
B23: R55.2 U1.37
B24: CSI_摄像头接口.2 U1.40 | length 2693.9
  TOP w10: CSI_摄像头接口.2@4131.26,3065 4204.14,3065 4248.53,3109.39 4384.39,3109.39 4405,3130 4405,3240 4430,3265 6260,3265 v1(6300,3225)
  BOTTOM w10: v1@6300.22,3225.22 v1(6300,3225) 6275.47,3200.47 6275.47,3149.53 6300,3125 6470,3125 U1.40@6520,3175
B25: CSI_摄像头接口.4 U1.39 | length 2567
  TOP w10: CSI_摄像头接口.4@4131.26,3165 4140.72,3174.46 4199.46,3174.46 4240,3215 4379.14,3215 4385,3220.86 4385,3260 4410,3285 6276.77,3285 6364.53,3197.24 6364.53,3165.47 6405,3125 6470,3125 U1.39@6520,3075
B26: CSI_摄像头接口.6 U1.42 | length 2476.4
  TOP w10: CSI_摄像头接口.6@4131.26,3265 4205.31,3265 4225.02,3284.71 4225.02,3285.88 4263.55,3324.41 4375.27,3324.41 4375.86,3325 6302.76,3325 6402.76,3225 6470,3225 U1.42@6520,3275
B27: CSI_摄像头接口.8 U1.41 | length 2383.8
  TOP w10: CSI_摄像头接口.8@4131.26,3365 4205.31,3365 4225.02,3384.71 4225.02,3385.88 4244.73,3405.59 4375.27,3405.59 4385.56,3395.3 4385.56,3355.29 4395.86,3345 6320,3345 6383.51,3281.49 6413.51,3281.49 U1.41@6420,3275
B28: CSI_摄像头接口.10 U1.46 | length 3086.4
  TOP w10: CSI_摄像头接口.10@4131.26,3465 4135.72,3469.46 4199.46,3469.46 4254.41,3524.41 4399.41,3524.41 4425,3550 4425,3715 4440,3730 5500,3730 5845,4075 6494.73,4075 6495.48,4075.74 6512,4075.74 6584.53,4148.27 6584.53,4310.47 U1.46@6520,4375
B29: CSI_摄像头接口.12 U1.45 | length 2875
  TOP w10: CSI_摄像头接口.12@4131.26,3565 4144.73,3578.47 4144.73,3599.73 4169.41,3624.41 4375.27,3624.41 4405,3654.14 4405,3735 4425,3755 5490,3755 5832,4097 6504.97,4097 6564.53,4156.56 6564.53,4230.47 U1.45@6520,4275
B30: CSI_摄像头接口.14 U1.43 | length 2645.7
  TOP w10: CSI_摄像头接口.14@4131.26,3665 4149.73,3683.47 4149.73,3699.73 4170,3720 4371.72,3720 4385,3733.28 4385,3770 4395,3780 5480,3780 5820,4120 6490,4120 6511.01,4141.01 6511.01,4166.01 U1.43@6520,4175
B31: CSI_摄像头接口.16 U1.44 | length 2462.2
  TOP w10: CSI_摄像头接口.16@4131.26,3765 4205,3765 4224.87,3784.87 4224.87,3785.72 4259.14,3820 5443.23,3820 5768.23,4145 6395.31,4145 6420,4169.69 U1.44@6420,4175
C0: P14.4 U1.82 | length 1347.8
  TOP w10: P14.4@3680,4350 3680,4459.14 3685.86,4465 3825,4465 3975,4615 4310,4615 4485,4440 4714.14,4440 4720,4434.14 U1.82@4720,4375
C1: P14.3 U1.79 | length 1902.6
  TOP w10: P14.3@3680,4050 3680,4104.14 3665.31,4118.83 3651.17,4118.83 3645,4125 3645,4470 3660,4485 3810,4485 3960,4635 4330,4635 4495,4470 4730,4470 4775.47,4424.53 4775.47,4309.53 4810,4275 U1.79@4820,4275
C2: P13.3 U1.80 | length 2918.7
  TOP w10: P13.3@2790,3305 2790,3755 2970,3935 3895.56,3935 3940,3979.44 v1(3940,3980)
  BOTTOM w10: v1(3940,3980) 4155,4195 4864.14,4195 4870,4200.86 4870,4340 4848.99,4361.01 4847.26,4361.01 4833.27,4375 U1.80@4820,4375
C3: P8.3 U1.77 | length 2794.6
  TOP w10: P8.3@2790,4050 2824.69,4084.69 2824.69,4439.69 2890,4505 3778.28,4505 3928.28,4655 4350,4655 4510,4495 4762.97,4495 4870,4387.97 4870,4305 4890.61,4284.39 4910.61,4284.39 U1.77@4920,4275
C4: P8.4 U1.78 | length 2468
  TOP w10: P8.4@2790,4350 2790,4485 2830,4525 3765,4525 3915,4675 4360,4675 4520,4515 4780,4515 U1.78@4920,4375
C5: P9.3 U1.75 | length 2952.4
  TOP w10: P9.3@3575,3305 3575,3455 3555.52,3474.48 3215.52,3474.48 3200,3490 3200,3845 3250,3895 3948.9,3895 v1@3976.46,3922.56
  BOTTOM w10: v1(3976.67,3921.67) 3976.67,3981.67 4165,4170 4956.72,4170 5017.19,4230.47 5017.19,4272.19 U1.75@5020,4275
C6: R18.2 U1.76 | length 1375.2
  TOP w10: v1(4935,4581) 4936,4580 5406.26,4580 5566.73,4419.53 5894.53,4419.53 5915,4440 R18.2@5915,4510.47
  BOTTOM w10: v1(4935,4581) 4936.88,4579.12 4950.88,4579.12 5020,4510 U1.76@5020,4375
C7: R53.2 U1.73 | length 2867.4
  TOP w10: R53.2@3960.47,2555 3921.7,2555 3920.85,2554.14 3890.86,2554.14 3870,2575 3870,2760 3940,2830 4380,2830 4430,2880 4430,3215 4454,3239 v1(4495,3239)
  BOTTOM w10: v1(4495,3239) 4574,3239 4585,3250 4585,4065 4615,4095 4994.24,4095 5120,4220.76 U1.73@5120,4275
C9: R1.2 U1.71 | length 1702.8
  TOP w10: R1.2@3734.53,4590 3785,4590 v1(3787.5,4587.5) v1@3790,4585 ; v1(4950,4469) 5088.97,4469 5165,4392.97 5165,4320 5210,4275 U1.71@5220,4275
  BOTTOM w10: v1(3787.5,4587.5) 3955,4420 4880,4420 4929,4469 v1(4950,4469)
C10: R5.2 U1.72 | length 1891.4
  TOP w10: R5.2@3734.53,4755 3734.53,4799.53 3745,4810 v1(3800,4810) ; v1@4926,4494 4925,4494 4926,4495 5100,4495 U1.72@5220,4375
  BOTTOM w10: v1(3800,4810) 3820,4810 3830,4800 3830,4576.46 3966.46,4440 4860,4440 v1@4921.33,4501.33
  other v1: 4925,4497.67
C12: R26.2 R34.2 U1.70 | length 1875
  TOP w10: v1@6430,3460 v1(6429.53,3459.53) R26.2@6429.53,3400 R34.2@6515.47,3400
  BOTTOM w10: U1.70@5320,4375 5328.99,4366.01 5353.99,4366.01 5370,4350 5370,4170 5790,3750 6355,3750 6375,3730 6375,3500 6414.12,3460.88 6428.17,3460.88 v1(6429.53,3459.53)
C13: R24.2 R31.2 U1.67 | length 1491.3
  TOP w10: v1(6403.53,3675) 6403.53,3633.1 6409.39,3627.25 6420.75,3627.25 6429.53,3618.47 R24.2@6429.53,3616.65 R31.2@6515.47,3616.65
  BOTTOM w10: U1.67@5420,4275 5420,4165 5810,3775 6360,3775 6403.53,3731.47 v1(6403.53,3675)
C14: R25.2 R33.2 U1.68 | length 1713.7
  TOP w10: v1@6430,3565 6429.53,3564.53 R25.2@6429.53,3508.32 R33.2@6515.47,3508.32
  BOTTOM w10: U1.68@5420,4375 5423.67,4371.33 5458.67,4371.33 5470,4360 5470,4150 5825,3795 6380,3795 6429.53,3745.47 v1(6429.53,3567.86)
C15: R23.2 R29.2 U1.65 | length 1334
  TOP w10: v1@6430,3785 v1(6429.53,3784.53) R23.2@6429.53,3725 R29.2@6515.47,3725
  BOTTOM w10: U1.65@5520,4275 5520,4146.72 5851.72,3815 6399.06,3815 v1(6429.53,3784.53)
C16: U1.66 UART2.4 | length 1656
  TOP w10: v1(4900,4526.33) 5368.67,4526.33 U1.66@5520,4375
  BOTTOM w10: UART2.4@3980,4535 4050,4465 4835,4465 v1@4898.17,4528.17
C17: U1.63 UART2.3 | length 1748.4
  TOP w10: v1(4875,4555) 5402.97,4555 5574.53,4383.44 5574.53,4320.47 U1.63@5620,4275
  BOTTOM w10: UART2.3@4080,4535 4080,4525 4120,4485 4805,4485 v1(4875,4555)
C18: U1.64 屏幕接口.8 | length 2765.9
  BOTTOM w10: U1.64@5620,4375 5570,4325 5570,4125 5860,3835 6420,3835 6435,3820 6665,3820 6675,3810 6675,2585.36 6669.14,2579.5 6658.1,2579.5 6655,2576.4 屏幕接口.8@6655,2565
C19: U1.61 屏幕接口.6 | length 3011.9
  BOTTOM w10: U1.61@5720,4275 5650,4205 5650,4080 5875,3855 6428.28,3855 6443.28,3840 6675,3840 6700,3815 6700,2530 6660,2490 6430.86,2490 6425,2495.86 屏幕接口.6@6425,2545
C20: U1.62 姿态传感器接口.6 | length 900.6
  BOTTOM w10: 姿态传感器接口.6@4935,4640 4935,4630 5140,4425 5670,4425 U1.62@5720,4375
C21: U1.59 姿态传感器接口.5 | length 1017
  BOTTOM w10: 姿态传感器接口.5@5035,4640 5035,4565 5155,4445 5712.97,4445 5764.53,4393.44 5764.53,4330.47 U1.59@5820,4275
C22: U1.60 姿态传感器接口.4 | length 938.7
  BOTTOM w10: 姿态传感器接口.4@5135,4640 5125.86,4630.86 5095.86,4630.86 5085,4620 5085,4545 5165,4465 5730,4465 U1.60@5820,4375
C23: U1.57 姿态传感器接口.3 | length 1095.3
  BOTTOM w10: 姿态传感器接口.3@5235,4640 5225.86,4630.86 5195.86,4630.86 5140,4575 5140,4520 5175,4485 5772.97,4485 5864.53,4393.44 5864.53,4330.47 U1.57@5920,4275
C24: P13.4 U1.58 | length 4293.2
  TOP w10: P13.4@2790,3005 2790,3069.14 2804.69,3083.83 2818.83,3083.83 2825,3090 2825,3755 2985,3915 3925,3915 3975,3965 v1(4005,3965) ; v1(5040,4215) 5043.25,4215 5058.25,4230 5955,4230 5975,4250 5975,4350 5956.49,4368.51 5926.49,4368.51 U1.58@5920,4375
  BOTTOM w10: v1(4005,3965) 4185,4145 4970,4145 v1(5040,4215)
C25: P9.4 U1.55 | length 4212.3
  TOP w10: P9.4@3575,3005 3575,3069.14 3589.69,3083.83 3603.83,3083.83 3610,3090 3610,3448.28 3563.28,3495 3235,3495 3220,3510 3220,3830 3260,3870 3975,3870 v1(3995,3890) ; v1(5046.04,4183.58) 5072.47,4210 5990,4210 6016.33,4236.33 6016.33,4271.33 U1.55@6020,4275
  BOTTOM w10: v1(3995,3890) 3997.3,3892.3 3997.3,3902.3 4216.14,4121.14 4983.61,4121.14 v1(5046.04,4183.58)
C26: R27.2 U1.56 | length 219
  BOTTOM w10: U1.56@6020,4375 6024.3,4370.7 6058.67,4370.7 6064.53,4364.84 R27.2@6064.53,4194.53
C27: R22.2 U1.53 | length 80.5
  BOTTOM w10: R22.2@6120,4194.53 U1.53@6120,4275
C28: CSI_摄像头接口.9 U1.54 | length 3155.3
  TOP w10: CSI_摄像头接口.9@4310,3465 4235.94,3465 4216.24,3445.29 4216.24,3444.12 4196.53,3424.41 4065.99,3424.41 4037.2,3453.2 4037.2,3805.09 4097.12,3865 5420,3865 5745,4190 6154,4190 v1(6155,4191)
  BOTTOM w10: U1.54@6120,4375 6129.39,4365.61 6158.67,4365.61 6164.53,4359.76 6164.53,4203.77 6155,4194.25 v1(6155,4191)
C29: CSI_摄像头接口.11 U1.51 | length 2950.9
  TOP w10: CSI_摄像头接口.11@4310,3565 4235.94,3565 4216.24,3545.29 4216.24,3544.12 4196.53,3524.41 4065.99,3524.41 4057.2,3533.2 4057.2,3796.8 4100.4,3840 5430,3840 5755,4165 6197.91,4165 6214,4181.09 6214,4181.75 6220,4187.75 v1(6220,4191)
  BOTTOM w10: v1@6220,4190 v1(6220,4191) U1.51@6220,4275
C30: R10.2 U1.52 | length 166.4
  TOP w10: R10.2@6157.5,4515.47 6157.5,4437.5 U1.52@6220,4375
C31: R14.2 U1.50 | length 220.6
  TOP w10: U1.50@6320,4375 6325,4380 6325,4495 6345.47,4515.47 R14.2@6415,4515.47